# Altium PCB FMC_CMOS_SENSOR.PcbDoc (part 3 of 3)
Units mil, origin at the board's own origin, x right, y up, seen from the top; angles counter-clockwise.
Board outline 3017.68 x 2726.57 mil, 4 copper layers (Top Layer, Plane L3GND, MidLayer1, Bottom Layer), stack 55.118 mil thick; 88 components, 198 nets, 750 pads, 383 vias.
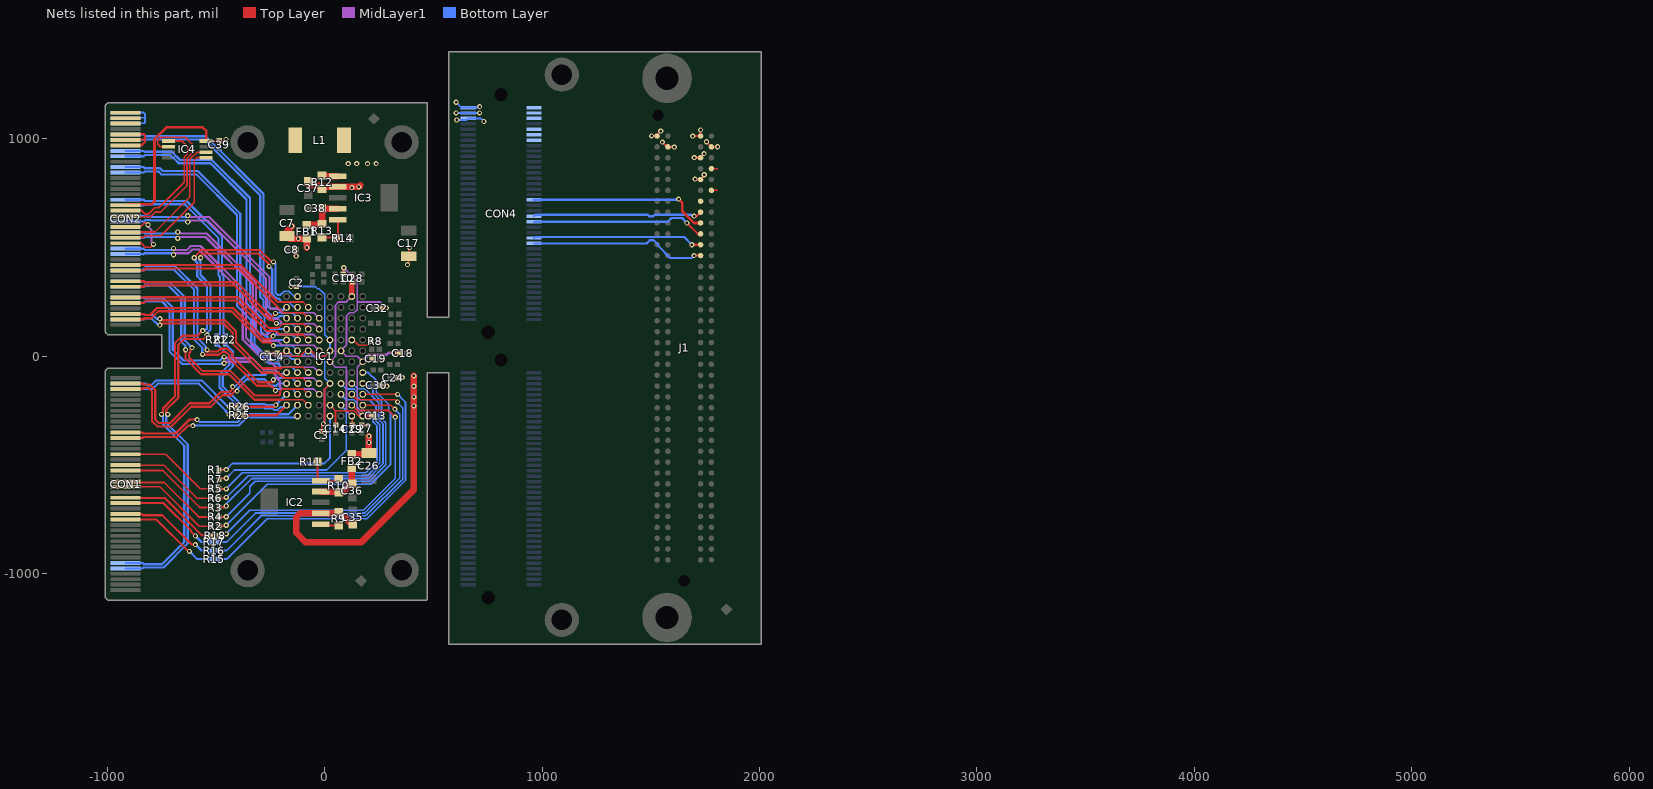
[diagram p5: the nets of this part, all layers, seen from the top]

## Via types
v1: diameter 23.62, hole 11.81, Top Layer to Bottom Layer, tented both sides, 364 vias
v2: diameter 23.62, hole 11.81, Top Layer to Bottom Layer, 19 vias

## Nets (pads, with @x,y where several pads share a name; then routed paths per layer and width w, separated by ;. In a path a pad name is that pad's centre, name@x,y a point inside that pad or via, vN(x,y) a via of type N, cw(c..) or ccw(c..) an arc to the next point about the centre after c; other vN are vias at no path point) (continued)
NetCON1_75: CON1.75 R25.2 | length 580.5
  Top Layer w10: v2(-440.94,-267.72) -437.01,-271.65 R25.2@-407.48,-271.65
  Bottom Layer w10: CON1.75@-915.47,-150.7 -792.43,-150.7 -767.72,-125.98 -579.39,-125.98 -454.72,-250.65 -454.72,-253.94 v2(-440.94,-267.72)
NetCON1_77: CON1.77 R26.2 | length 571.1
  Top Layer w10: v2(-437.01,-232.28) R26.2@-407.48,-232.28
  Bottom Layer w10: CON1.77@-915.47,-125.7 -823.12,-125.7 -814.96,-133.86 -798.27,-133.86 -775.39,-110.98 -566.18,-110.98 -444.88,-232.28 v2(-437.01,-232.28)
NetCON2_32: CON2.32 CON2.38 | length 358.7
  Top Layer w8: CON2.32@-910.67,521.6 -846.31,521.6 -825.55,500.84 -800.82,500.84 v1(-787.51,514.15) ; CON2.38@-910.67,596.6 -845.18,596.6 -829.2,612.59 -820.2,612.59 -816.93,609.32 -816.93,600.39 v1(-812.55,604.77)
  MidLayer1 w8: v1(-812.55,604.77) -816.93,600.39 -796.12,579.58 -796.12,522.76 v1(-787.51,514.15)
NetCON2_34: CON2.34 IC4.5 | length 632.9
  Top Layer w8: CON2.34@-910.67,546.6 -833.7,546.6 -825.66,554.65 -754.4,554.65 -600.39,708.66 -600.39,902.45 -587.49,915.35 -584.85,912.71 IC4.5@-545.17,912.71
NetCON2_36: CON2.36 IC4.6 | length 624.4
  Top Layer w8: CON2.36@-910.67,571.6 -780.67,571.6 -620.08,732.19 -620.08,905.51 -587.29,938.3 IC4.6@-545.17,938.3 IC4.6@-541.32,934.46
NetCON2_42: CON2.42 IC4.2 | length 787.4
  Top Layer w8: CON2.42@-910.67,646.6 -905.85,641.79 -800.48,641.79 -778.67,663.6 -753.72,663.6 -633.08,784.24 -633.08,910.9 -610.24,933.74 -610.24,975.81 -641.77,1007.34 -751.65,1007.34 -767.72,991.28 -767.72,974.41 -757.2,963.89 IC4.2@-718.4,963.89
NetCON2_44: CON2.44 IC4.1 | length 601.9
  Top Layer w8: CON2.44@-910.67,671.6 -844.1,671.6 -827.29,654.79 -810.05,654.79 -781.42,683.42 -762.42,683.42 -646.08,799.76 -646.08,916.28 -629.92,932.44 -629.92,964.57 -654.84,989.48 IC4.1@-718.4,989.48
NetCON2_45: CON2.45 R21.2 | length 954.2
  Bottom Layer w10: CON2.45@-915.47,694.77 -832.44,694.77 -828.39,698.82 -643.7,698.82 -487.94,543.06 -487.94,371.36 -481.31,364.73 -481.31,85.37
NetCON2_47: CON2.47 R22.2 | length 975
  Bottom Layer w10: CON2.47@-915.47,719.77 -832.44,719.77 -826.98,714.32 -635.58,714.32 -472.44,551.18 -472.44,377.78 -465.81,371.15 R22.2@-465.81,91.8
NetIC1_E1: IC1.E1 R1.2 | length 726.6
  Top Layer w8: R1.2@-486.7,-523.19 -485.16,-521.65 v1(-452.76,-521.65)
  Bottom Layer w8: v1(-452.76,-521.65) -424.35,-493.25 -1.25,-493.25 24.75,-467.25 IC1.E1@24.75,-275.25
NetIC1_F2: IC1.F2 R7.2 | length 859.7
  Top Layer w8: R7.2@-486.7,-566.34 -481.38,-561.02 v1(-452.76,-561.02)
  Bottom Layer w8: v1(-452.76,-561.02) -414.98,-523.25 9.75,-523.25 99.5,-433.5 99.5,-250 IC1.F2@74.75,-225.25
NetIC1_F3: IC1.F3 R5.2 | length 1190.5
  Top Layer w8: R5.2@-486.7,-609.5 -485.96,-610.24 v1(-452.76,-610.24)
  Bottom Layer w8: v1(-452.76,-610.24) -378.77,-536.25 189.75,-536.25 240.75,-485.25 240.75,-320.4 222.6,-302.25 222.6,-288.11 184.5,-250 164.5,-250 150,-235.5 150,-215.5 135,-200.5 100,-200.5 IC1.F3@74.75,-175.25
NetIC1_F4: IC1.F4 R6.2 | length 1291.6
  Top Layer w8: R6.2@-486.7,-652.65 -455.8,-652.65 v1(-452.76,-649.61)
  Bottom Layer w8: v1(-452.76,-649.61) -352.4,-549.25 195.13,-549.25 253.75,-490.64 253.75,-315.01 235.6,-296.87 235.6,-230.11 205.5,-200 164.5,-200 149.5,-185 149.5,-165 135,-150.5 100,-150.5 IC1.F4@74.75,-125.25
NetIC1_G2: IC1.G2 R18.2 | length 1425.2
  Top Layer w8: R18.2@-486.7,-825.26 -461.09,-825.26 v1(-452.76,-816.93) ; IC1.G2@124.75,-225.25 128.13,-225.25 152.88,-250 294.5,-250 v1(324.75,-280.25)
  Bottom Layer w8: v1(-452.76,-816.93) -344.08,-708.25 178.75,-708.25 324.75,-562.25 v1(324.75,-280.25)
NetIC1_G3: IC1.G3 R16.2 | length 1574.7
  Top Layer w8: IC1.G3@124.75,-175.25 149.5,-200 325.5,-200 v1(335.75,-210.25)
  Bottom Layer w8: R16.2@-490.16,-893.7 -450.79,-893.7 -291.34,-734.25 189.52,-734.25 358.56,-565.21 358.56,-238.06 335.75,-215.25 v1(335.75,-210.25)
NetIC1_G4: IC1.G4 R3.2 | length 1294
  Top Layer w8: R3.2@-486.7,-695.8 -459.58,-695.8 v1(-452.76,-688.98)
  Bottom Layer w8: v1(-452.76,-688.98) -452.76,-679.13 -335.87,-562.25 200.52,-562.25 268.45,-494.32 268.45,-311.33 248.6,-291.48 248.6,-213.11 185.5,-150 152.88,-150 128.13,-125.25 IC1.G4@124.75,-125.25
NetIC1_G8: IC1.G8 R8.2 | length 108
  Top Layer w8: IC1.G8@124.75,74.75 131.38,74.75 156.13,50 196,50 R8.2@214.75,68.75
NetIC1_H2: IC1.H2 R17.2 | length 1439.2
  Top Layer w8: IC1.H2@174.75,-225.25 304.75,-225.25 v1(322.75,-243.25)
  Bottom Layer w8: R17.2@-490.16,-854.33 -450.79,-854.33 -317.71,-721.25 184.13,-721.25 345.56,-559.83 345.56,-266.06 v1(322.75,-243.25)
NetIC1_H3: IC1.H3 R15.2 | length 1578
  Top Layer w8: IC1.H3@174.75,-175.25 v1@330.75,-175.25
  Bottom Layer w8: R15.2@-490.16,-933.07 -450.79,-933.07 -264.97,-747.25 194.9,-747.25 371.56,-570.59 371.56,-211.06 v1(335.75,-175.25)
NetIC1_H4: IC1.H4 R4.2 | length 1313.9
  Top Layer w8: R4.2@-486.7,-738.96 -453.52,-738.96 v1(-452.76,-738.19)
  Bottom Layer w8: v1(-452.76,-738.19) -344.49,-629.92 -344.49,-600.39 -319.35,-575.25 205.9,-575.25 281.45,-499.71 281.45,-305.94 261.6,-286.1 261.6,-209.46 262.47,-208.59 222.75,-168.87 222.75,-156.25 191.75,-125.25 IC1.H4@174.75,-125.25
NetIC1_H5: IC1.H5 R2.2 | length 1397.8
  Top Layer w8: R2.2@-486.7,-782.11 -457.31,-782.11 v1(-452.76,-777.56)
  Bottom Layer w8: v1(-452.76,-777.56) -263.45,-588.25 211.29,-588.25 303.23,-496.31 303.23,-259.02 294.45,-250.24 294.45,-222.18 236.75,-164.48 236.75,-111.25 200.75,-75.25 IC1.H5@174.75,-75.25
NetIC2_1: IC2.1 R9.2 | length 84.6
  Top Layer w8: IC2.1@-18.14,-772.25 -11.65,-778.75 R9.2@63.75,-778.75
NetIC2_5: IC2.5 R10.2 R11.1 | length 177.7
  Top Layer w8: R11.1@-33.25,-486.25 -33.25,-557.14 IC2.5@-18.14,-572.25 55.25,-572.25 R10.2@63.75,-563.76
NetIC3_1: IC3.1 R12.2 | length 74
  Top Layer w30: R12.2@-12.25,831.24 -9.76,828.75 IC3.1@60.75,828.75
NetIC3_5: IC3.5 R13.2 R14.1 | length 155.2
  Top Layer w8: R13.2@-12.25,546.25 48.25,546.25 R14.1@51.76,542.75 60.75,551.74 IC3.5@60.75,628.75
OUT1_N: CON2.15 IC1.C2 | length 1221.4
  Top Layer w8: -200,-200.5 -100,-200.5 IC1.C2@-75.25,-225.25
  Top Layer w10: v1(-639.76,29.53) -639.76,-12.08 -569.16,-82.68 -440.48,-82.68 -322.65,-200.5 -200,-200.5
  Bottom Layer w10: CON2.15@-915.47,319.77 -832.44,319.77 -827.69,324.52 -810.51,324.52 -810.23,324.8 -718.5,324.8 -659.45,265.75 -659.45,66.66 -639.76,46.98 v1(-639.76,29.53)
OUT1_P: CON2.17 IC1.C3 | length 1251.8
  Top Layer w8: -205.57,-175.94 -205.57,-161.57 -194.5,-150.5 -100,-150.5 IC1.C3@-75.25,-175.25
  Top Layer w10: v1(-610.23,39.37) -617.45,32.15 -617.45,20.29 -624.26,13.47 -624.26,-5.66 -562.74,-67.18 -434.06,-67.18 -320.98,-180.25 -209.88,-180.25 -205.57,-175.94
  Bottom Layer w10: CON2.17@-915.47,344.77 -832.44,344.77 -827.69,340.02 -816.93,340.02 -816.65,340.3 -712.08,340.3 -643.95,272.17 -643.95,73.08 v1(-610.23,39.37)
OUT2_N: IC1.A2 R21.1 R25.1 | length 851.8
  Top Layer w10: R25.1@-372.05,-271.65 -221.65,-271.65 IC1.A2@-175.25,-225.25
  Bottom Layer w10: -476.38,35.8 -494.93,54.36 cw(c-492.2,57.09) R21.1@-496.06,57.09 -458.01,19.03 -453.56,19.03 -438.73,4.19 -438.73,-39.38 -484,-84.65 -484,-144.22 -392.85,-235.37 -281.88,-235.37 -277.34,-239.91 -240.46,-239.91 -233.65,-246.72 -215.17,-246.72 -202.1,-233.65 -183.65,-233.65 IC1.A2@-175.25,-225.25
OUT2_P: IC1.A3 R22.1 R26.1 | length 727.9
  Top Layer w10: R26.1@-372.05,-232.28 -232.28,-232.28 v2(-224.41,-224.41)
  Bottom Layer w10: R22.1@-456.69,57.09 -423.23,23.62 -423.23,-45.8 -468.5,-91.07 -468.5,-137.8 -386.43,-219.87 -275.46,-219.87 -270.92,-224.41 v2(-224.41,-224.41) IC1.A3@-175.25,-175.25
OUT3_N: CON2.9 IC1.D3 | length 1213.7
  MidLayer1 w8: -196,-150.5 -50,-150.5 IC1.D3@-25.25,-175.25
  MidLayer1 w10: v1(-462.6,-32.4) -455.79,-25.59 -340.29,-25.59 -289.63,-76.25 -237.39,-76.25 -214.41,-99.23 -214.41,-105.86 -209.37,-110.9 ; -206.69,-110.9 -206.69,-139.81 -196,-150.5
  Bottom Layer w10: CON2.9@-915.47,244.77 -832.44,244.77 -832.44,246.68 -827.76,251.35 -748.03,251.35 -714.32,217.64 -714.32,23.11 -662.25,-28.96 -656.03,-35.18 -475.01,-35.18 -468.79,-28.96 -466.04,-28.96 v1(-462.6,-32.4)
OUT3_P: CON2.11 IC1.D4 | length 1181.8
  MidLayer1 w8: -207.46,-83.55 -191.01,-100 -50.5,-100 IC1.D4@-25.25,-125.25
  MidLayer1 w10: v1(-462.6,-2.78) -455.79,-9.59 -333.67,-9.59 -283.01,-60.25 -230.76,-60.25 -207.46,-83.55
  Bottom Layer w10: CON2.11@-915.47,269.77 -832.44,269.77 -829.52,266.85 -741.61,266.85 -698.82,224.06 -698.82,29.53 -649.61,-19.68 -481.43,-19.68 -464.53,-2.78 v1(-462.6,-2.78)
OUT4_N: CON2.21 IC1.B3 | length 1224.4
  Top Layer w10: v1@-562.8,9.38 -560.12,12.06 -555.63,12.06 -550.21,6.63 -485.74,6.63 -480.31,12.06 -478.6,12.06 -471.63,19.03 -453.56,19.03 -440.79,6.25 -440.79,-6.33 -311.62,-135.5 -250.38,-135.5 -245.46,-140.42 -241.08,-140.42 -226.38,-155.13 v1(-226.38,-157.48) v1@-226.38,-165.25
  Bottom Layer w8: v1@-226.38,-155.13 -227.58,-153.92 -221.39,-153.92 -217.97,-150.5 -150,-150.5 IC1.B3@-125.25,-175.25
  Bottom Layer w10: CON2.21@-915.47,394.77 -832.44,394.77 -833.41,395.75 -833.41,400.22 -695.5,400.22 -600.39,305.12 -600.39,76.5 -563.28,39.39 -563.28,10.07 v1(-561.56,8.35)
OUT4_P: CON2.23 IC1.B4 | length 1192.5
  Top Layer w10: v1@-540.96,22.13 -492.16,22.13 -484.38,29.91 -482.67,29.91 -478.05,34.53 -447.14,34.53 -425.29,12.67 -425.29,0.09 -305.19,-120 -238.11,-120 -236.22,-118.11 v1(-236.22,-108.27)
  Bottom Layer w8: v1(-236.22,-108.27) -228.46,-100.5 -150,-100.5 IC1.B4@-125.25,-125.25
  Bottom Layer w10: CON2.23@-915.47,419.77 -832.44,419.77 -828.38,415.72 -689.08,415.72 -584.89,311.54 -584.89,82.93 -561.02,59.06 -547.78,45.81 -547.78,35.75 v1(-540.96,28.94)
OUT5_N: CON1.76 IC1.A4 | length 1009.5
  Top Layer w10: CON1.76@-915.47,-150.7 -838.34,-150.7 -833.59,-145.95 -810.74,-145.95 -795.03,-161.67 -795.03,-297.76 -790.49,-302.3 -770.2,-322.59 -704.48,-322.59 -613.93,-232.04 -523.37,-232.04 -471.08,-179.74 -431.71,-179.74 -427.17,-175.2 -412.3,-160.33 v2(-402.66,-160.33)
  Bottom Layer w10: v2(-402.66,-160.33) -402.66,-150.7 -358.22,-106.25 -276.25,-106.25 -258.03,-124.47 -258.03,-127.14 -249.51,-135.67 -222.93,-135.67 -214.41,-127.14 -214.41,-125.25 IC1.A4@-175.25,-125.25
OUT5_P: CON1.78 IC1.A5 | length 1001.9
  Top Layer w10: CON1.78@-915.47,-125.7 -838.34,-125.7 -833.59,-130.45 -804.32,-130.45 -779.53,-155.24 -779.53,-291.34 -763.78,-307.09 -710.9,-307.09 -620.35,-216.54 -529.79,-216.54 -477.5,-164.24 -438.13,-164.24 -423.26,-149.37 v2(-423.26,-139.74)
  Bottom Layer w10: v2(-423.26,-139.74) -413.62,-139.74 -360.14,-86.25 -273.25,-86.25 -262.25,-75.25 -212.05,-75.25 -205.8,-81.5 -194.2,-81.5 -187.95,-75.25 IC1.A5@-175.25,-75.25
OUT6_N: CON2.3 IC1.C4 | length 1002.2
  Top Layer w8: -186.92,-100 -100.5,-100 IC1.C4@-75.25,-125.25
  Top Layer w10: v1(-757.87,143.41) -751.06,150.22 -465.18,150.22 -423.23,108.27 -423.23,57.34 -289.63,-76.25 -211.05,-76.25 -205.8,-81.5 -205.41,-81.5 -186.92,-100 -186.67,-100.25
  Bottom Layer w10: CON2.3@-915.47,169.77 -832.44,169.77 -827.69,174.52 -797.24,174.52 -766.13,143.41 v1(-757.87,143.41)
OUT6_P: CON2.5 IC1.C5 | length 985.6
  Top Layer w8: -197.25,-50.5 -100,-50.5 IC1.C5@-75.25,-75.25
  Top Layer w10: v1(-757.87,172.53) -751.06,165.72 -458.76,165.72 -407.73,114.69 -407.73,63.76 -289,-54.97 -201.72,-54.97 -197.25,-50.5
  Bottom Layer w10: CON2.5@-915.47,194.77 -832.44,194.77 -827.69,190.02 -790.82,190.02 -773.33,172.53 v1(-757.87,172.53)
OUT7_N: CON2.57 IC1.B5 | length 1488.3
  Bottom Layer w8: -197.25,-50.5 -150,-50.5 IC1.B5@-125.25,-75.25
  Bottom Layer w10: CON2.57@-915.47,844.77 -832.44,844.77 -827.69,849.52 -764.29,849.52 -751.38,836.61 -590.55,836.61 -403.54,649.61 -403.54,232.12 -399.36,227.93 -337.67,166.25 -337.67,49.25 -255.17,-33.25 -214.5,-33.25 -197.25,-50.5
OUT7_P: CON2.59 IC1.B6 | length 1489.5
  Bottom Layer w8: -198.25,-0.5 -163,-0.5 -163,-2.5 -152.5,-13 -137.5,-13 IC1.B6@-125.25,-25.25
  Bottom Layer w10: CON2.59@-915.47,869.77 -832.44,869.77 -827.69,865.02 -757.87,865.02 -744.96,852.11 -584.13,852.11 -579.59,847.57 -388.04,656.03 -388.04,238.54 -322.17,172.67 -322.17,55.67 -248.75,-17.75 -215.5,-17.75 -198.25,-0.5
OUT8_N: CON2.27 IC1.D5 | length 1264.8
  MidLayer1 w8: -250.13,-25.38 -229.25,-46.25 -224.96,-46.25 -220.71,-50.5 -50,-50.5 IC1.D5@-25.25,-75.25
  MidLayer1 w10: v1(-695.4,466.54) -688.59,473.35 -626.07,473.35 -608.76,490.65 -577.92,490.65 -377.25,289.99 -377.25,77.12 -289.19,-10.94 -264.57,-10.94 -250.13,-25.38
  Bottom Layer w10: CON2.27@-915.47,469.77 -832.44,469.77 ; -833.14,469.06 -832.44,469.77 ; v1(-695.4,466.54) -702.46,473.6 -828.6,473.6 -832.44,469.77
OUT8_P: CON2.29 IC1.D6 | length 1250.5
  MidLayer1 w8: -225.25,-0.5 -50,-0.5 IC1.D6@-25.25,-25.25
  MidLayer1 w10: v1(-695.4,496.17) -688.59,489.35 -632.69,489.35 -615.39,506.65 -571.29,506.65 -361.25,296.61 -361.25,83.75 -286.25,8.75 -234.5,8.75 -225.25,-0.5
  Bottom Layer w10: CON2.29@-915.47,494.77 -832.44,494.77 -826.77,489.1 -702.46,489.1 v1(-695.4,496.17)
OUT9_N: CON2.33 IC1.D7 | length 1234.5
  MidLayer1 w8: -260.97,70.56 -216.06,70.56 -195.5,50 -50.5,50 IC1.D7@-25.25,24.75
  MidLayer1 w10: v1@-669.29,548.58 -548.58,548.58 -331.25,331.25 -331.25,114.2 -287.61,70.56 -260.97,70.56
  Bottom Layer w10: CON2.33@-915.47,544.77 -832.44,544.77 -828.13,549.08 -679.13,549.08 -675.71,545.66 v1(-675.71,542.27)
OUT9_P: CON2.35 IC1.D8 | length 1233.3
  MidLayer1 w8: -260.97,99.46 -245.87,114.56 -228.63,114.56 -213.57,99.5 -50,99.5 IC1.D8@-25.25,74.75
  MidLayer1 w10: v1@-669.29,564.58 -541.95,564.58 -315.25,337.88 -315.25,120.83 -293.89,99.46 -260.97,99.46
  Bottom Layer w10: CON2.35@-915.47,569.77 -832.44,569.77 -827.24,564.58 -679.13,564.58 -675.71,568 v1(-675.71,571.39)
OUT10_N: CON2.4 IC1.B7 | length 887.9
  Top Layer w10: CON2.4@-915.47,169.77 -832.44,169.77 -827.69,174.52 -797.24,174.52 -765.07,206.69 -428.37,206.69 -284.67,63 -250.5,63 v1(-236.25,48.75)
  Bottom Layer w8: v1(-236.25,48.75) -236.25,53.75 -231.25,53.75 -227,49.5 -150,49.5 IC1.B7@-125.25,24.75
OUT10_P: CON2.6 IC1.B8 | length 886.9
  Top Layer w10: CON2.6@-915.47,194.77 -832.44,194.77 -827.69,190.02 -803.66,190.02 -771.5,222.19 -421.95,222.19 -278.25,78.5 -251.5,78.5 v1(-237.25,92.75)
  Bottom Layer w8: v1(-237.25,92.75) -237.25,97.75 -235.5,99.5 -150,99.5 IC1.B8@-125.25,74.75
OUT11_N: CON2.10 IC1.C8 | length 919.9
  Top Layer w8: -245.87,115.44 -220.94,115.44 -205,99.5 -100,99.5 IC1.C8@-75.25,74.75
  Top Layer w10: CON2.10@-915.47,244.77 -832.44,244.77 -821.3,255.91 -405.41,255.91 -264.94,115.44 -245.87,115.44
OUT11_P: CON2.12 IC1.C9 | length 917.8
  Top Layer w8: -258.52,130.94 -257.52,129.94 -213.63,129.94 -194.07,149.5 -100,149.5 IC1.C9@-75.25,124.75
  Top Layer w10: CON2.12@-915.47,269.77 -829.36,269.77 -827.72,271.41 -398.99,271.41 -258.52,130.94
OUT12_N: CON2.63 IC1.A8 | length 1416.4
  Bottom Layer w10: CON2.63@-915.47,919.77 -832.44,919.77 -827.01,925.2 -709.23,925.2 -676.07,892.04 -671.53,887.5 -525.57,887.5 -359.25,721.19 -359.25,243.83 -293.01,177.58 -293.01,112.24 -272.77,92 -266.35,92 -259.06,84.71 -259.06,83.71 -246.29,70.94 -228.22,70.94 -224.41,74.75 IC1.A8@-175.25,74.75
OUT12_P: CON2.65 IC1.A9 | length 1410.2
  Bottom Layer w10: CON2.65@-915.47,944.77 -832.44,944.77 -828.36,940.7 -702.81,940.7 -665.11,903 -519.14,903 -343.75,727.61 -343.75,250.25 -277.51,184 -277.51,121.79 -263.22,107.5 -245.97,124.75 IC1.A9@-175.25,124.75
OUT13_N: CON2.16 IC1.B9 | length 878
  Top Layer w10: CON2.16@-915.47,319.77 -832.44,319.77 -827.41,324.8 -412.48,324.8 -253.67,166 -239.5,166 -223.25,149.75 v1(-222.25,150.75)
  Bottom Layer w8: v1(-222.25,150.75) -223.25,149.75 -150.25,149.75 IC1.B9@-125.25,124.75
OUT13_P: CON2.18 IC1.B10 | length 880.5
  Top Layer w10: CON2.18@-915.47,344.77 -832.44,344.77 -827.96,340.3 -406.06,340.3 -247.25,181.5 -240.5,181.5 -224.25,197.75 -225.15,196.85 v1(-226.38,196.85)
  Bottom Layer w8: v1(-226.38,196.85) -225.15,196.85 -224.25,197.75 -222.5,199.5 -150,199.5 IC1.B10@-125.25,174.75
OUT14_N: CON2.39 IC1.D9 | length 1205.3
  MidLayer1 w8: -248.68,170.56 -231.87,170.56 -230.87,171.56 -213.63,171.56 -201.44,159.37 -201.44,157.37 -193.57,149.5 -50,149.5 IC1.D9@-25.25,124.75
  MidLayer1 w10: v1(-629.92,617.46) -623.62,623.76 -536.66,623.76 -269.25,356.36 -269.25,191.13 -248.68,170.56
  Bottom Layer w10: CON2.39@-915.47,619.77 -832.44,619.77 -827.69,624.52 -823.64,624.52 -821.58,626.58 -803.51,626.58 -801.45,624.52 -788.02,624.52 -787.61,624.93 -769.54,624.93 -769.13,624.52 -636.98,624.52 v1(-629.92,617.46)
OUT14_P: CON2.41 IC1.D10 | length 1172.3
  MidLayer1 w8: -189.5,200 -50.5,200 IC1.D10@-25.25,174.75
  MidLayer1 w10: v1(-629.92,647.08) -627.28,647.08 -619.96,639.76 -581.64,639.76 -530.03,639.76 -253.25,362.99 -253.25,225.75 -246.06,218.56 -235.51,218.56 -235.41,218.66 -215.73,218.66 -197.07,200 -189.5,200
  Bottom Layer w10: CON2.41@-915.47,644.77 -832.44,644.77 -828.87,641.21 -828,642.08 -797.09,642.08 -795.03,640.02 -794.44,640.02 -794.03,640.43 -763.12,640.43 -762.71,640.02 -636.98,640.02 v1(-629.92,647.08)
OUT15_N: CON2.69 IC1.A10 | length 1384.9
  Bottom Layer w10: CON2.69@-915.47,994.77 -832.44,994.77 -830.6,996.6 -553.69,996.6 -296.75,739.67 -296.75,272.75 -281,257 -281,226.39 -269.25,214.64 -269.25,211.9 -248.19,190.84 -248.19,187.82 -235.41,175.04 -217.34,175.04 -216.44,175.94 -215.22,175.94 -205.66,185.5 -186,185.5 IC1.A10@-175.25,174.75
OUT15_P: CON2.71 IC1.A11 | length 1370.3
  Bottom Layer w10: CON2.71@-915.47,1019.77 -832.44,1019.77 -824.77,1012.1 -547.27,1012.1 -281.25,746.09 -281.25,279.17 -265.5,263.42 -265.5,232.81 -252.25,219.56 -215.22,219.56 -209.15,213.5 -186.5,213.5 IC1.A11@-175.25,224.75
OUT16_N: CON2.22 IC1.C10 | length 938.6
  Top Layer w8: -217.25,227.75 -189.5,200 -100.5,200 IC1.C10@-75.25,174.75
  Top Layer w10: CON2.22@-915.47,394.77 -832.44,394.77 -823.67,403.54 -393.05,403.54 -217.25,227.75
OUT16_P: CON2.24 IC1.C11 | length 921
  Top Layer w8: -215.5,249.5 -100,249.5 IC1.C11@-75.25,224.75
  Top Layer w10: CON2.24@-915.47,419.77 -832.44,419.77 -831.71,419.04 -385.05,419.04 -215.5,249.5
OUTCLK_N: CON1.9 IC1.B11 | length 2486.5
  Top Layer w10: v2(-721.54,-267.72) -728.35,-260.91 -728.35,-246.81 -673.48,-191.94 -673.48,52.63 -647.37,78.74 -559,78.74 v1(-540.33,97.41) ; v1(-570.87,452.76) -570.87,462.6 -561.02,472.44 -305.33,472.44 -255.91,423.02 v1(-255.91,413.39)
  Bottom Layer w8: -208.25,262.75 -195,249.5 -165,249.5 -140.25,224.75 IC1.B11@-125.25,224.75
  Bottom Layer w10: CON1.9@-915.47,-975.7 -838.34,-975.7 -834.84,-972.19 -741.61,-972.19 -630.17,-860.75 -630.17,-405.26 -728.35,-307.09 -728.35,-274.53 v2(-721.54,-267.72) ; v1(-570.87,452.76) -577.68,445.94 -577.68,442.91 -570.87,436.1 -570.87,374.02 -525.84,328.99 -525.84,121.53 -540.33,107.04 v1(-540.33,97.41) ; v1(-255.91,413.39) -241.25,398.73 -241.25,285.97 -221.4,266.12 -211.63,266.12 -208.25,262.75
OUTCLK_P: CON1.11 IC1.B12 | length 2493.7
  Top Layer w10: v2(-750.66,-267.72) -743.85,-260.91 -743.85,-240.39 -688.98,-185.52 -688.98,59.05 -653.79,94.24 -584.68,94.24 v1(-560.92,118.01) ; v1(-599.99,452.76) -599.99,455.4 -567.44,487.94 -298.91,487.94 -244.95,433.98 v1(-235.31,433.98)
  Bottom Layer w8: -201,285 -200,285 -185.5,299.5 -165,299.5 -140.25,274.75 IC1.B12@-125.25,274.75
  Bottom Layer w10: CON1.11@-915.47,-950.7 -838.34,-950.7 -832.35,-956.69 -748.03,-956.69 -645.67,-854.33 -645.67,-411.68 -743.85,-313.51 -743.85,-274.53 v2(-750.66,-267.72) ; v1(-599.99,452.76) -593.18,445.94 -593.18,436.49 -586.37,429.68 -586.37,367.6 -562.14,343.37 -541.34,322.57 -541.34,127.95 -551.29,118.01 v1(-560.92,118.01) ; v1(-235.31,433.98) -225.75,424.42 -225.75,292.39 -214.98,281.62 -204.38,281.62 -201,285
OUTCTR_N: CON1.58 IC1.B1 | length 831.8
  Top Layer w10: CON1.58@-915.47,-375.7 -838.34,-375.7 -833.59,-370.95 -679.74,-370.95 -627.69,-318.9 v2(-606.3,-318.9)
  Bottom Layer w10: v2(-606.3,-318.9) -511.81,-318.9 -401.57,-318.9 -401.33,-318.65 -394.65,-318.65 -358.26,-282.25 -132.25,-282.25 IC1.B1@-125.25,-275.25
OUTCTR_P: CON1.60 IC1.B2 | length 855.9
  Top Layer w10: CON1.60@-915.47,-350.7 -838.34,-350.7 -833.59,-355.45 -686.16,-355.45 -622.05,-291.34 v2(-586.61,-291.34)
  Bottom Layer w10: v2(-586.61,-291.34) -574.8,-303.15 -401.07,-303.15 -364.68,-266.75 -166.75,-266.75 IC1.B2@-125.25,-225.25
P2V0: C38.2 FB1.1 IC3.4 R13.1 | length 216.9
  Top Layer w30: FB1.1@-83.25,603.74 -17.76,603.74 R13.1@-12.25,609.24 -12.25,679.25 C38.2@-11.76,679.75 -10.76,678.75 IC3.4@60.75,678.75
P3V0: C36.2 FB2.1 IC2.4 R10.1 | length 238.5
  Top Layer w30: IC2.4@-18.14,-622.25 59.25,-622.25 R10.1@63.75,-626.75 80.79,-626.75 120.78,-586.76 C36.2@127.75,-586.76 124.93,-583.94 FB2.1@124.93,-513.71
P3V3: CON2.76 CON2.78 CON2.80 L1.1
P3V3_AUX: C39.1 CON2.46 IC4.8 | length 829.5
  Top Layer w12: CON2.46@-910.67,696.6 -908.85,698.42 -797.24,698.42 -782.72,712.94 -782.72,998.78 -728.35,1053.15 -561.02,1053.15 -545.17,1037.29 IC4.8@-545.17,989.48 -461.4,989.48 v1(-453.78,997.1)
P3V3_AUXF: CON4.46 J1.d32 | length 836
  Top Layer w12: v1(1628.08,722.75) 1644.08,706.75 1644.08,667.49 1698.63,612.94 J1.d32@1728.79,612.94
  Bottom Layer w12: CON4.46@962.85,718.92 1624.25,718.92 v1(1628.08,722.75)
P3V3F: CON4.76 CON4.78 CON4.80 J1.c39 J1.d36 J1.d38 J1.d40 | length 234.6
  Top Layer w10: v1(1693.08,1012.75) 1728.6,1012.75 J1.d40@1728.79,1012.94 1728.79,1040.46 v1(1729.08,1040.75) ; v1(1700.08,913.75) 1700.89,912.94 J1.d38@1728.79,912.94 1745.08,929.23 v1(1745.08,931.75) ; v1(1704.08,814.75) 1705.89,812.94 J1.d36@1728.79,812.94 1746.08,830.23 v1(1746.08,834.75) ; v1(1756.08,986.75) 1778.79,964.04 J1.c39@1778.79,962.94 1806.28,962.94 v1(1807.08,963.75)
P12V: CON2.75 CON2.77 CON2.79 | length 295.9
  Bottom Layer w8: CON2.75@-910.67,1071.6 -830.47,1071.6 -826.89,1075.19 -826.89,1094.73 ; CON2.77@-910.67,1096.6 -828.76,1096.6 -826.89,1094.73 ; CON2.79@-910.67,1121.6 -833.93,1121.6 -826.89,1114.56 -826.89,1094.73
P12VF: CON4.75 CON4.77 CON4.79 J1.c35 J1.c37 | length 418.6
  Top Layer w8: J1.c35@1778.79,762.94 1805.28,762.94 1806.08,763.75 ; J1.c37@1778.79,862.94 1806.89,862.94 1807.08,862.75
  Bottom Layer w8: v1(604.58,1119.01) 604.68,1118.92 CON4.77@659.7,1118.92 712.75,1118.92 v1(712.85,1119.01) ; v1(604.58,1168.23) 628.89,1143.92 CON4.79@659.7,1143.92 708.22,1143.92 v1(712.85,1148.54) ; v1(607.44,1086.62) 652.4,1086.62 CON4.75@659.7,1093.92 718.26,1093.92 v1(732.53,1079.64)
SPI_CLK: CON1.42 R4.1 | length 461
  Top Layer w8: CON1.42@-915.47,-575.7 -910.46,-580.71 -738.19,-580.71 -579.94,-738.96 R4.1@-522.13,-738.96
SPI_EN: CON1.46 R3.1 | length 463.8
  Top Layer w8: CON1.46@-915.47,-525.7 -743.99,-525.7 -573.88,-695.8 R3.1@-522.13,-695.8
SPI_IN: CON1.52 R5.1 | length 459.1
  Top Layer w8: CON1.52@-915.47,-450.7 -730.4,-450.7 -571.61,-609.5 R5.1@-522.13,-609.5
SPI_OUT: CON1.48 R6.1 | length 456.3
  Top Layer w8: CON1.48@-915.47,-500.7 -914.96,-501.21 -738.95,-501.21 -587.51,-652.65 R6.1@-522.13,-652.65
SYS_RES_N: CON1.40 R2.1 | length 468.5
  Top Layer w8: CON1.40@-915.47,-600.7 -757.57,-600.7 -576.16,-782.11 R2.1@-522.13,-782.11
T_DIG1: CON1.34 R17.1 | length 466.2
  Top Layer w10: CON1.34@-915.47,-675.7 -741.62,-675.7 -614.17,-803.15 -614.17,-807.09 v2(-594.49,-826.77)
  Bottom Layer w10: v2(-594.49,-826.77) -566.93,-854.33 R17.1@-525.59,-854.33
T_DIG2: CON1.36 R18.1 | length 465.6
  Top Layer w10: CON1.36@-915.47,-650.7 -913.96,-652.21 -735.59,-652.21 -562.53,-825.26 R18.1@-522.13,-825.26
T_EXP1: CON1.28 R15.1 | length 465.4
  Top Layer w10: CON1.28@-915.47,-750.7 -774.89,-750.7 -627.95,-897.64 v2(-622.05,-897.64)
  Bottom Layer w10: v2(-622.05,-897.64) -586.61,-933.07 R15.1@-525.59,-933.07
T_EXP2: CON1.30 R16.1 | length 458.4
  Top Layer w10: CON1.30@-914.67,-726.4 -840.67,-726.4 -835.92,-731.15 -746.76,-731.15 -611.76,-866.14 v2(-594.49,-866.14)
  Bottom Layer w10: v2(-594.49,-866.14) -566.93,-893.7 R16.1@-525.59,-893.7
TCK_TO_FMC: CON4.30 J1.d29 | length 813.4
  Top Layer w10: v1(1699.08,462.75) 1699.28,462.94 J1.d29@1728.79,462.94
  Bottom Layer w10: CON4.30@962.85,518.92 1480.41,518.92 1495.05,533.56 1513.12,533.56 1531.89,514.78 1531.89,509.94 1590.08,451.75 1688.08,451.75 v1(1699.08,462.75)
TDI_TO_FMC: CON4.32 J1.d30 | length 782.8
  Top Layer w10: v1(1689.08,512.75) 1728.6,512.75 J1.d30@1728.79,512.94
  Bottom Layer w10: CON4.32@962.85,543.92 967.49,548.56 1653.27,548.56 v1(1689.08,512.75)
TDO_FROM_FMC: CON4.38 J1.d31 | length 802.9
  Top Layer w10: v1(1666.08,612.75) 1715.89,562.94 J1.d31@1728.79,562.94
  Bottom Layer w10: CON4.38@962.85,618.92 1578.41,618.92 1595.05,635.56 1643.27,635.56 v1(1666.08,612.75)
TMS_TO_FMC: CON4.40 J1.d33 | length 798.8
  Top Layer w10: v1(1699.08,644.75) 1695.08,640.75 1706.6,640.75 J1.d33@1728.79,662.94
  Bottom Layer w10: CON4.40@962.85,643.92 969.49,650.56 1486.43,650.56 1493.05,643.94 1511.12,643.94 1517.74,650.56 1685.27,650.56 1695.08,640.75 v1(1699.08,644.75)
TRST_TO_FMC: J1.d34
VADJ: CON2.68 CON2.70 CON2.72 | length 297
  Top Layer w10: CON2.68@-915.47,969.77 -841.25,969.77 -838.74,972.29 -838.74,973.6 -825.96,986.38 -826.89,987.3 -826.89,1016.13 -832.36,1021.6 CON2.72@-910.67,1021.6 ; CON2.70@-910.67,996.6 -827.04,996.6
VADJF: CON4.68 CON4.70 CON4.72 J1.g39 J1.h40 | length 119.5
  Top Layer w10: v1(1504.08,1013.75) 1527.99,1013.75 J1.h40@1528.79,1012.94 1528.79,1018.46 v1(1546.08,1035.75) ; v1(1553.08,984.75) 1574.89,962.94 J1.g39@1578.79,962.94 1606.89,962.94 v1(1608.08,961.75)
VDD20: C1.2 C2.2 C3.2 C4.2 C7.1 C8.2 FB1.2 IC1.A7 IC1.C7 IC1.E4 IC1.E7 IC1.E8 | length 1841
  Top Layer w8: IC1.A7@-175.25,24.75 -150.5,0 -112.88,0 -88.13,24.75 -62.37,24.75 -37.63,0 0,0 IC1.E7@24.75,24.75 ; C3.2@-13.25,-346.25 -13.25,-318.25 v1(-6.25,-311.25) -0.5,-305.5 -0.5,-150.5 IC1.E4@24.75,-125.25
  Top Layer w12: C1.2@-265.25,14.75 -218.54,14.75 C4.2@-218.25,14.46 -185.54,14.46 IC1.A7@-175.25,24.75 ; v1(-154.25,320.75) C2.2@-129.25,320.75
  Top Layer w20: C8.2@-132.94,490.23 -132.94,462.67 v1(-130.98,460.7)
  Top Layer w30: v1(-150.66,598.5) -173.25,575.91 C7.1@-173.25,553.75 -160.25,540.75 v1(-121.13,540.75) FB1.2@-83.25,540.75 -83.25,501.56 v1(-81.76,500.07)
  MidLayer1 w8: v1(-6.25,-311.25) v1@-0.5,-305.5
  Bottom Layer w8: IC1.A7@-175.25,24.75 -169.87,24.75 -145.12,0 -100,0 IC1.C7@-75.25,24.75 -50.5,0 0,0 ; v1(-154.25,320.75) -43.25,320.75 -33.25,310.75 -26.25,310.75 0,284.5 0,99.5 IC1.E8@24.75,74.75 IC1.E7@24.75,24.75 0,0 ; v1(-6.25,-311.25) -0.5,-305.5 -0.5,-150.5 IC1.E4@24.75,-125.25 0,-100.5 0,0
VDD33: C10.2 C13.2 C14.2 C17.1 C18.2 C19.2 C24.2 C30.2 C32.2 C35.2 C37.2 IC1.E2 IC1.F7 IC1.H1 IC1.H6 IC2.2 IC3.2 L1.2 R9.1 R12.1 | length 3511.7
  Top Layer w8: IC1.E2@24.75,-225.25 49.75,-250.25 ; C14.2@50.75,-316.54 49.75,-315.54 49.75,-250.25 ; C10.2@85.75,377.46 85.75,404.75 v1(87.75,406.75) ; IC1.H1@174.75,-275.25 159.75,-275.25 134.75,-250.25 49.75,-250.25 ; IC1.H6@174.75,-25.25 203.75,-25.25 C19.2@217.75,-11.25 ; C30.2@257.18,-134.25 282.75,-134.25 v1(285.75,-137.25) ; C24.2@333.18,-98.25 v1(357.75,-98.25) ; v1(380.83,421.33) 386.75,427.24 C17.1@386.75,459.69 386.75,496.14 v1(390.68,500.07)
  Top Layer w12: IC1.H1@174.75,-275.25 175.75,-274.25 C13.2@216.03,-274.25 ; C32.2@259.39,221.2 283.2,221.2 v1(283.75,221.75) ; v1(316.75,15.75) 317.75,14.75 C18.2@341.75,14.75
  Top Layer w30: C37.2@-75.25,804.75 -71.92,801.42 -71.92,785.5 -29.5,785.5 R12.1@-12.25,768.25 -1.76,778.75 IC3.2@60.75,778.75 v1(157.54,778.75) v1@164.3,785.5 ; C35.2@128.75,-772.75 123.43,-772.75 66.44,-715.76 R9.1@63.75,-715.76 57.25,-722.25 IC2.2@-18.14,-722.25 -19.14,-721.25 -111.29,-721.25 -130.98,-740.94 -130.98,-812.12 -86.8,-856.3 167.32,-856.3 410.36,-613.26 v1(410.36,-228.28) v1(410.36,-90.48)
  MidLayer1 w8: v1(87.75,406.75) 149.5,345 149.5,248.75 ; IC1.H1@174.75,-275.25 150,-250.5 150,-50 IC1.H6@174.75,-25.25 150,-0.5 100,-0.5 IC1.F7@74.75,24.75 100,50 100,185 115,200 135,200 149.5,214.5 149.5,248.75 ; v1(283.75,221.75) 256,249.5 150.24,249.5 149.5,248.75
  MidLayer1 w12: IC1.H6@174.75,-25.25 206.94,6.94 285.2,6.94 294.01,15.75 v1(316.75,15.75)
  other v1: 410.36,-187.01 410.36,-137.8 124.93,775.66 108.27,885.83 147.64,885.83 196.85,885.83 236.22,885.83
VDDPIX: C26.1 C27.2 C28.2 C29.2 FB2.2 IC1.E6 IC1.G1 IC1.G12 | length 986.1
  Top Layer w8: IC1.G1@124.75,-275.25 126.75,-277.25 C29.2@126.75,-317.82 ; C27.2@170.75,-316.54 197.03,-316.54 v1(199.75,-319.25)
  Top Layer w25: IC1.G12@124.75,274.75 124.75,337.32 C28.2@128.75,341.32
  Top Layer w30: FB2.2@124.93,-450.72 195.28,-450.72 C26.1@203.67,-442.33 ; C26.1@203.67,-445.81 C26.1@203.67,-442.33 ; v1(203.67,-367.38) C26.1@203.67,-442.33
  MidLayer1 w8: IC1.G1@124.75,-275.25 100,-250.5 100,-65.5 98.71,-64.21 98.71,-49.21 97.42,-50.5 50,-50.5 IC1.E6@24.75,-25.25 50,0 50,235 65,250 100,250 IC1.G12@124.75,274.75
  other v1: 203.67,-396.91
pads on no net: CON1.3 CON1.4 CON1.5 CON1.6 CON1.10 CON1.12 CON1.16 CON1.18 CON1.21 CON1.22 CON1.23 CON1.24 CON1.27 CON1.29 CON1.33 CON1.35 CON1.39 CON1.41 CON1.45 CON1.47 CON1.51 CON1.53 CON1.59 CON1.63 CON1.64 CON1.65 CON1.66 CON1.70 CON1.72 CON2.28 CON2.30 CON2.40 CON2.50 CON2.51 CON2.52 CON2.53 CON2.54 CON2.56 CON2.58 CON2.60 CON2.62 CON2.66 CON2.74 CON3.3 CON3.4 CON3.5 CON3.6 CON3.28 CON3.30 CON3.81 CON3.82 CON4.28 CON4.50 CON4.52 CON4.54 CON4.56 CON4.58 CON4.60 CON4.62 CON4.66 CON4.74 CON4.81 CON4.82 FTG1.1 FTG2.1 FTG3.1 IC1.F11 IC1.G7 IC1.H12 J1.1 J1.2 J1.d1 J1.h1
copper on no net: | length 630.8
  Top Layer w10: 1881.5,-1061.43 1960.24,-1061.43 1960.24,-982.25 1881.5,-982.25 1881.5,-1061.43
  Bottom Layer w10: 1881.5,-825.21 1960.24,-825.21 1960.24,-746.47 1881.5,-746.47 1881.5,-825.21

## Polygon pours and split planes (outlines as drawn)
VDD20 on Bottom Layer "Top Layer-No Net" (solid, pour order 13): 4.75,-336.54 -14.13,-336.54 -22.71,-327.97 -25.25,-325.42 -25.25,-287.75 -25.25,-215.89 -62.08,-179.06 -75.25,-165.89 -75.25,-75.25 -86.54,-75.25 -111.29,-50.5 -130.98,-50.5 -150,-50.5 -175.25,-25.25 -180.19,-20.32 -180.19,37.47 -173.03,37.47 -160.5,50 -111.29,50 -100,50 -75.25,74.75 -75.25,274.75 -75.25,277.02 -101.45,303.22 -170.35,303.22 -170.35,305.85 -180.19,315.69 -180.19,519.76 -180.19,588.65 -150.66,618.18 -3.02,618.18 36.35,618.18 105.24,549.28 115.09,539.44 115.09,149.5 115.09,-41.27 65.87,-90.48 56.03,-100.32 56.03,-169.22 56.03,-326.7 46.19,-336.54 4.75,-336.54
P3V3F on Bottom Layer "Top Layer-No Net" (solid, pour order 14): 909.7,1158.38 909.7,1089.49 919.54,1079.64 978.59,1079.64 1578.99,1079.64 1638.04,1020.59 1667.57,991.06 1667.57,941.85 1667.57,804.05 1677.41,794.21 1687.26,784.37 1746.31,784.37 1750.22,784.37 1778.79,812.94 1778.79,862.94 1778.79,905.43 1805.37,932.01 1834.89,961.53 1834.89,981.22 1834.89,1050.12 1805.37,1079.64 1667.57,1217.44 1460.88,1217.44 968.75,1217.44 909.7,1158.38
VADJF on Bottom Layer "Top Layer-No Net" (solid, pour order 16): 919.54,1069.8 1578.99,1069.8 1608.52,1040.27 1657.73,991.06 1657.73,951.69 1657.73,892.64 1647.89,882.79 1638.04,872.95 1578.99,872.95 1165.6,872.95 1106.55,932.01 1057.33,981.22 1027.81,981.22 909.7,981.22 899.85,991.06 899.85,1059.96 909.7,1059.96 919.54,1069.8
P12VF on Top Layer "Top Layer-No Net" (solid, pour order 15): 1746.31,882.79 1746.31,764.68 1775.84,735.16 1785.68,725.31 1834.89,725.31 1844.74,725.31 1874.26,754.84 1893.95,774.53 1893.95,892.64 1893.95,1148.54 1825.05,1217.44 1569.14,1217.44 624.26,1217.44 594.74,1187.91 584.89,1178.07 584.89,1138.7 584.89,1109.17 604.58,1089.49 624.26,1069.8 673.48,1069.8 1598.67,1069.8 1628.2,1040.27 1667.57,1000.9 1667.57,923.87 1667.57,902.48 1677.41,892.64 1687.26,882.79 1736.47,882.79 1746.31,882.79
VDD33 on Top Layer "Top Layer-No Net" (solid, pour order 17): 29.53,1082.68 29.53,935.04 59.06,905.51 109.15,855.42 109.15,778.75 109.15,766.84 127.95,748.03 196.85,748.03 206.69,748.03 226.38,767.72 246.06,787.4 246.06,866.14 246.06,1003.94 196.85,1053.15 157.48,1092.52 59.06,1092.52 39.37,1092.52 29.53,1082.68
P3V3 on Top Layer "Top Layer-No Net" (solid, pour order 18): -910.67,1046.6 -793.95,1046.6 -777.56,1062.99 -767.72,1072.83 -708.66,1072.83 -285.43,1072.83 -236.22,1023.62 -236.22,954.72 -236.22,915.35 -216.54,895.67 -206.69,885.83 -137.8,885.83 -106.3,885.83 -76.77,915.35 -59.06,933.07 -59.06,994.09 -59.06,1072.83 -127.95,1141.73 -137.8,1151.57 -196.85,1151.57 -905.51,1151.57 -915.35,1141.73 -915.47,1141.62 -915.47,1069.77
GND on MidLayer1 "Top Layer-No Net" (solid, remove dead copper, pour order 10): -995.54,1159.68 -994.9,1160.33 582.61,1160.33 582.61,1384.74 593.35,1395.49 2004.11,1395.49 1992.05,1383.43 1992.05,-1308.18 1657.41,-1308.18 1657.41,-1304.24 1641.66,-1288.49 1594.42,-1288.49 1507.8,-1288.49 1488.12,-1308.18 578.92,-1308.18 574.98,-1312.11 574.73,-1311.87 574.73,-1119.2 -994.13,-1119.2 -1002,-1111.33 -1003.54,-1109.79 -1003.54,1151.68
VDD33 on MidLayer1 "Top Layer-No Net" (solid, remove dead copper, pour order 11): -150.66,765.82 -150.66,893.77 -130.98,913.46 -111.29,933.14 85.56,933.14 282.41,933.14 479.26,736.29 479.26,598.5 479.26,-228.28 430.05,-277.49 390.68,-316.86 311.94,-316.86 273.43,-316.86 253.75,-297.17 183.98,-297.17 164.3,-297.17 154.46,-287.33 150,-282.87 150,-238.12 150,-56.5 105.24,-11.74 95.4,-1.9 65.87,-1.9 65.87,1.91 50,17.79 50,116.21 50,169.24 85.56,204.8 95.4,214.64 115.09,214.64 124.93,214.64 144.61,234.32 144.61,332.75 144.61,341.09 103.75,381.96 51.53,381.96 -32.55,381.96 -81.76,431.17 -150.66,500.07 -150.66,765.82
VDDPIX on MidLayer1 "Top Layer-No Net" (solid, pour order 12): 281.45,-425.13 281.45,-336.54 281.45,-324.87 253.97,-297.39 252.66,-296.09 195.5,-296.09 163.21,-296.09 154.46,-287.33 150,-282.87 150,-225.5 150,-50.5 124.75,-25.25 65.87,33.62 65.87,76.84 65.87,204.8 85.56,224.48 115.09,224.48 129.39,224.48 144.61,239.71 154.88,249.97 154.88,281.23 154.88,285.74 124.93,315.69 116.87,323.75 75.72,323.75 27.35,323.75 6.82,303.22 -22.71,273.69 -22.71,116.21 -22.71,-395.6 16.66,-434.97 36.35,-454.65 223.35,-454.65 251.92,-454.65 281.45,-425.13
GND on Plane L3GND (split plane): 1954.98,-836.14 1887.18,-836.14 1887.18,-830.35 1954.98,-830.35
GND on Plane L3GND (split plane): 1954.98,-900.15 1887.18,-900.15 1887.18,-890.25 1954.98,-890.25
GND on Plane L3GND (split plane): 1989.1,-1304.88 590.13,-1304.88 590.13,-76.95 589.75,-73.02 588.6,-69.25 586.75,-65.78 584.25,-62.73 581.2,-60.24 577.73,-58.38 573.96,-57.23 570.04,-56.85 471.8,-56.85 467.88,-57.23 464.11,-58.38 460.63,-60.24 457.59,-62.73 455.09,-65.78 453.23,-69.25 452.09,-73.02 451.7,-76.95 451.7,-1101.62 -988.39,-1101.62 -988.39,-74.78 -750.55,-74.78 -746.63,-74.39 -742.86,-73.25 -739.38,-71.39 -736.34,-68.89 -733.84,-65.85 -731.98,-62.37 -730.84,-58.6 -730.45,-54.68 -730.45,98.76 -730.84,102.68 -731.98,106.45 -733.84,109.92 -736.34,112.97 -739.38,115.47 -742.86,117.33 -746.63,118.47 -750.55,118.86 -988.39,118.86 -988.39,1145.69 451.7,1145.69 451.7,179.15 452.09,175.23 453.23,171.46 455.09,167.98 457.59,164.94 460.63,162.44 464.11,160.58 467.88,159.44 471.8,159.05 570.04,159.05 573.96,159.44 577.73,160.58 581.2,162.44 584.25,164.94 586.75,167.98 588.6,171.46 589.75,175.23 590.13,179.15 590.13,1381.49 1989.1,1381.49

## Keep-outs
Keep-Out Layer:
  lines w10: 582.68,1385.83 582.68,169.29 578.74,165.35 456.69,165.35 456.69,1149.61 -992.13,1149.61 -1003.47,1138.26 -1003.47,111.77 -1001.07,114.17 -744.09,114.17 -736.22,106.3 -736.22,-62.99 -740.93,-67.7 -1003.47,-67.7 -1003.47,-1108.7 -1001.93,-1110.24 452.76,-1110.24 460.63,-1102.36 460.63,-72.46 470.1,-62.99 578.74,-62.99 582.68,-66.93 582.68,-1307.09 1488.19,-1307.09 1501.06,-1319.96 1507.87,-1319.96 ; 1633.08,1396.58 2004.19,1396.58 2004.19,-1319.96 1638.08,-1319.96 ; 1650.96,-1307.09 1992.13,-1307.09 1992.13,1385.83

## Other copper
Top Layer:
  rectangle net GND: 255.91,13.75 269.75,49.06
  rectangle net GND: 350.94,177.17 366.87,199.33
  rectangle net NetC25_1: 280.25,-27.13 307.13,-9.57
  text "TOP" at 1813.08,1290.75 h50
  text "1" at 1948.43,-1029.93 h51.18 r90
Bottom Layer:
  text "BOT" at 1938.08,1290.75 h50
  text "4" at 1948.43,-805.52 h51.18 r90
Plane L3GND (plane layer: these items are gaps in the copper):
  rectangle: 1881.08,-1059.25 1959.08,-909.25
  rectangle: 1884.08,-823.25 1959.08,-749.25
  lines w10: 1883.08,-905.25 1958.08,-905.25 ; 1883.08,-825.25 1958.08,-825.25 ; 1882.08,-1061.25 1882.08,-747.25 1960.08,-747.25 1960.08,-1061.25 1882.08,-1061.25
  text "3" at 1947.08,-880.25 h51.18 r90

## Silkscreen, mask and mechanical layers (free items; w line width, h text height)
Top Overlay:
  text "P3V3" at -267.72,1066.93 h78.74
  text "CMV4000 sensor v1.0" at -476.38,881.89 h78.74 r270
  text "2V0" at -283.46,598.43 h78.74 r270
  text "FMC to CMOS sensor adapter v1.0" at 1118.11,573.67 h78.74 r270
  text "3V3" at 283.46,515.75 h78.74 r270
  text "3V0" at 259.84,-385.83 h78.74 r270
  text "1" at 1090.55,-1039.37 h118.11
  text "1" at -748.03,-1072.83 h118.11
Bottom Overlay:
  text "1" at 1125.98,-1051.18 h118.11
  text "1" at -698.82,-1072.83 h118.11
Top Paste:
  text ".Layer_Name" at 1016.54,-2754.25 h75
Bottom Paste:
  text ".Layer_Name" at 2516.54,-2754.25 h75
Top Solder:
  text ".Layer_Name" at 1016.54,-2654.25 h75
Bottom Solder:
  text ".Layer_Name" at 2516.54,-2654.25 h75
Mechanical 1:
  lines w10: -745.53,-1116.7 462.29,-1116.7 466.78,-1112.2 ; 466.78,1160.77 466.78,174.13 575.05,174.13 575.05,1396.58 2004.19,1396.58 2004.19,-1319.96 575.05,-1319.96 575.05,-71.93 506.15,-71.93 466.78,-71.93 466.78,-1116.7 -995.47,-1116.7 -1003.47,-1108.7 -1003.47,-67.7 -995.47,-59.7 -745.53,-59.7 -745.53,103.77 -995.47,103.77 -1003.47,111.77 -1003.47,1152.77 -995.47,1160.77 -745.53,1160.77 466.14,1160.77 466.78,1161.42 ; 582.68,1385.83 1476.38,1385.83 ; 1645.67,1385.83 1992.13,1385.83
Mechanical 2:
  circle w3.94: c-574.45,-1103.6 r40.35
  circle w3.94: c-574.45,1122.78 r40.35
  lines w3.94: -1046.89,-1015.01 -574.45,-1015.01 cw(c-574.45,-1103.6) -574.45,-1192.18 -1007.52,-1192.18 -1007.52,-1141 -1064.61,-1141 ; -1046.89,-1014.03 -1046.89,1033.22 ; -1046.89,1034.2 -574.45,1034.2 ccw(c-574.45,1122.78) -574.45,1211.36 -1007.52,1211.37 -1007.52,1160.18 -1064.61,1160.18 ; -613.82,-1103.6 -535.08,-1103.6 ; -613.82,1122.78 -535.08,1122.78 ; -574.45,-1142.97 -574.45,-1064.23 ; -574.45,1083.41 -574.45,1162.15 ; -1127.6,-1141 cw(c-1096.11,-1141) -1064.61,-1141 ; -1127.6,-1141 -1145.32,-1141 -1145.32,1160.18 -1127.6,1160.18 ; -1127.6,-1141 -1127.6,1160.18 ; -1127.6,1160.18 ccw(c-1096.11,1160.18) -1064.61,1160.18 ; -1064.61,-1141 -1064.61,1160.18
Mechanical 5:
  lines w3.94: 2004.19,-1516.81 2004.19,-1319.96
  lines w10: -1204.48,-1319.96 -1007.63,-1319.96 -1007.63,-1516.81 ; -1204.48,1211.54 -1007.63,1211.54 -1007.63,1408.39 ; -1106.05,-1190.04 -1007.63,-1190.04 -1007.63,-1288.46 ; -653.3,1294.21 -554.87,1294.21 -554.87,1392.64 ; -228.1,1396.58 -129.67,1396.58 -129.67,1495 ; -39.12,-1319.96 59.3,-1319.96 59.3,-1418.39 ; 356.54,-4055.78 1156.54,-4055.78 ; 2004.19,-1319.96 2201.04,-1319.96 ; 2004.19,1593.43 2004.19,1396.58 2201.04,1396.58
Title Block:
  text ".Print_Scale" at -1793.46,-4055.78 h50
Mechanical 8:
  circle w3.94: c1575.05,-1201.85 r114.17
  circle w3.94: c1575.05,1278.47 r114.17
  circle w3.94: c1533.71,1109.17 r25.59
  circle w3.94: c1575.05,-1201.85 r53.15
  circle w3.94: c1653.79,-1032.56 r25.59
  circle w3.94: c1575.05,1278.47 r53.15
  circle w3.94: c-574.56,-1103.43 r53.15
  circle w3.94: c-574.56,1122.95 r53.15
  lines w3.94: -1125.74,-1693.98 -1086.37,-1693.98 ; -1086.37,-1733.35 -1086.37,-1693.98 ; -1086.37,-1654.61 -1086.37,-1693.98 ; -1047,-1693.98 -1086.37,-1693.98 ; -732.04,-1693.98 -692.67,-1693.98 ; -692.67,-1733.35 -692.67,-1693.98 ; -692.67,-1654.61 -692.67,-1693.98 ; -653.3,-1693.98 -692.67,-1693.98 ; -613.93,-1103.42 -574.56,-1103.42 ; -613.93,1122.95 -574.56,1122.95 ; -574.56,-1142.79 -574.56,-1103.42 ; -574.56,-1064.05 -574.56,-1103.42 ; -574.56,1083.58 -574.56,1122.95 ; -574.56,1162.32 -574.56,1122.95 ; -535.19,-1103.42 -574.56,-1103.42 ; -535.19,1122.95 -574.56,1122.95 ; 1494.34,1109.17 1533.71,1109.17 ; 1533.71,1069.8 1533.71,1109.17 ; 1533.71,1148.55 1533.71,1109.17 ; 1535.68,-1201.85 1575.05,-1201.85 ; 1535.68,1278.47 1575.05,1278.47 ; 1573.08,1109.17 1533.71,1109.17 ; 1575.05,-1241.22 1575.05,-1201.85 ; 1575.05,-1162.48 1575.05,-1201.85 ; 1575.05,1239.1 1575.05,1278.47 ; 1575.05,1317.84 1575.05,1278.47 ; 1614.42,-1201.85 1575.05,-1201.85 ; 1614.42,-1032.56 1653.79,-1032.56 ; 1614.42,1278.47 1575.05,1278.47 ; 1653.79,-1071.93 1653.79,-1032.56 ; 1653.79,-993.19 1653.79,-1032.56 ; 1693.16,-1032.56 1653.79,-1032.56 ; 1838.83,-938.07 1878.2,-938.07 ; 1878.2,-977.44 1878.2,-938.07 ; 1878.2,-898.7 1878.2,-938.07 ; 1917.57,-938.07 1878.2,-938.07 ; 5449.07,8542.25 5488.44,8542.25 ; 5488.44,8502.88 5488.44,8542.25 ; 5488.44,8581.62 5488.44,8542.25 ; 5527.81,8542.25 5488.44,8542.25
Mechanical 9:
  drawing of 317 lines, arcs and shapes, not listed
  text "OPTICAL TARGET 2x2mm" at 6135.58,6511.53 h150 r90
  text "ALL DIMENSIONS ARE IN MILLIMETERS" at 6260.58,1299.03 h250 r90
  text "Ø3.5 ±0.005" at 6048.08,-1275.97 h150 r90
  text "NOT PLATED HOLE" at 6210.58,-1275.97 h150 r90
  text "Area Without Copper and Without Solder Mask - On Both Sides" at 230.6,-1758.39 h100
Mechanical 10:
  lines w3.94: -1204.48,-1319.96 -1007.63,-1319.96 -1007.63,-1516.81 ; -1204.48,1211.54 -1007.63,1211.54 -1007.63,1408.39 ; -1106.05,-1190.04 -1007.63,-1190.04 -1007.63,-1288.46 ; -653.3,1294.21 -554.87,1294.21 -554.87,1392.64 ; -228.1,1396.58 -129.67,1396.58 -129.67,1495 ; -39.12,-1319.96 59.3,-1319.96 59.3,-1418.39 ; 2004.19,1593.43 2004.19,1396.58 2201.04,1396.58 ; 2201.04,-1319.96 2004.19,-1319.96 ; 2004.19,-1319.96 2004.19,-1516.81 2004.19,-1319.96
Mechanical 11:
  text ".Layer_Name" at 1006.54,-2555.78 h75
Drill Drawing:
  lines w3.94: -633.61,1250.91 -594.24,1250.91 ; -594.24,1211.54 -594.24,1250.91 ; -594.24,1290.28 -594.24,1250.91 ; -554.87,1250.91 -594.24,1250.91 ; -208.41,1333.58 -169.04,1333.58 ; -169.04,1294.21 -169.04,1333.58 ; -169.04,1372.95 -169.04,1333.58 ; -129.67,1333.58 -169.04,1333.58

## Dimensions
-1204.48,-1319.96 to -1106.05,-1190.04 on Drill Drawing
-554.87,1392.64 to -1007.63,1408.39 on Drill Drawing
-129.67,1495 to -554.87,1392.64 on Drill Drawing
-1204.48,1211.54 to -228.1,1396.58 on Drill Drawing
-1676.92,-1988.47 to -1086.37,-1693.19 on Mechanical 9
-1676.92,-1988.47 to -1086.37,-1693.19 on Mechanical 9
976.63,1436.73 to 1023.87,1436.73 on Mechanical 9

## Text inside footprints (layer, text, board x,y; h text height)
CON1: Top Overlay "80" at -823.47,-80.7 h23.62 r270; Top Overlay "60" at -823.53,-333.7 h23.62 r270; Top Overlay "42" at -824.53,-555.7 h23.62 r270; Top Overlay "22" at -823.53,-806.7 h23.62 r270; Top Overlay "2" at -823.53,-1066.7 h23.62 r270; Bottom Overlay "79" at -823.47,-119.7 h23.62 r270; Bottom Overlay "59" at -823.53,-372.7 h23.62 r270; Bottom Overlay "41" at -823.53,-591.7 h23.62 r270; Bottom Overlay "21" at -823.53,-841.7 h23.62 r270; Bottom Overlay "1" at -823.53,-1079.7 h23.62 r270
CON2: Top Overlay "80" at -823.47,1139.77 h23.62 r270; Top Overlay "60" at -823.53,886.77 h23.62 r270; Top Overlay "42" at -824.53,664.77 h23.62 r270; Top Overlay "22" at -823.53,413.77 h23.62 r270; Top Overlay "2" at -823.53,153.77 h23.62 r270; Bottom Overlay "79" at -823.47,1100.77 h23.62 r270; Bottom Overlay "59" at -823.53,847.77 h23.62 r270; Bottom Overlay "41" at -823.53,628.77 h23.62 r270; Bottom Overlay "21" at -823.53,378.77 h23.62 r270; Bottom Overlay "1" at -823.53,140.77 h23.62 r270
J1: Top Overlay "40" at 1373.79,1112.94 h39.37 r270; Top Overlay "1" at 1335.97,-962.73 h39.37; Mechanical 14 "c" at 1768.79,-1142.06 h39.37; Mechanical 14 "d" at 1714.61,-1142.73 h39.37; Mechanical 14 "h" at 1513.79,-1142.06 h39.37; Mechanical 14 "g" at 1565.97,-1137.73 h39.37; Mechanical 14 "40" at 1373.79,1112.94 h39.37 r270; Mechanical 14 "1" at 1335.97,-962.73 h39.37